# Altium PCB PCB1.PcbDoc (part 5 of 5)
Units mm, origin at the board's own origin, x right, y up, seen from the top; angles counter-clockwise.
Board outline 150 x 50 mm, 6 copper layers (Top Layer, Layer 1, Top Middle Layer, Bottom Middle Layer, Layer 2, Bottom Layer), stack 0.885 mm thick; 361 components, 293 nets, 1358 pads, 565 vias.
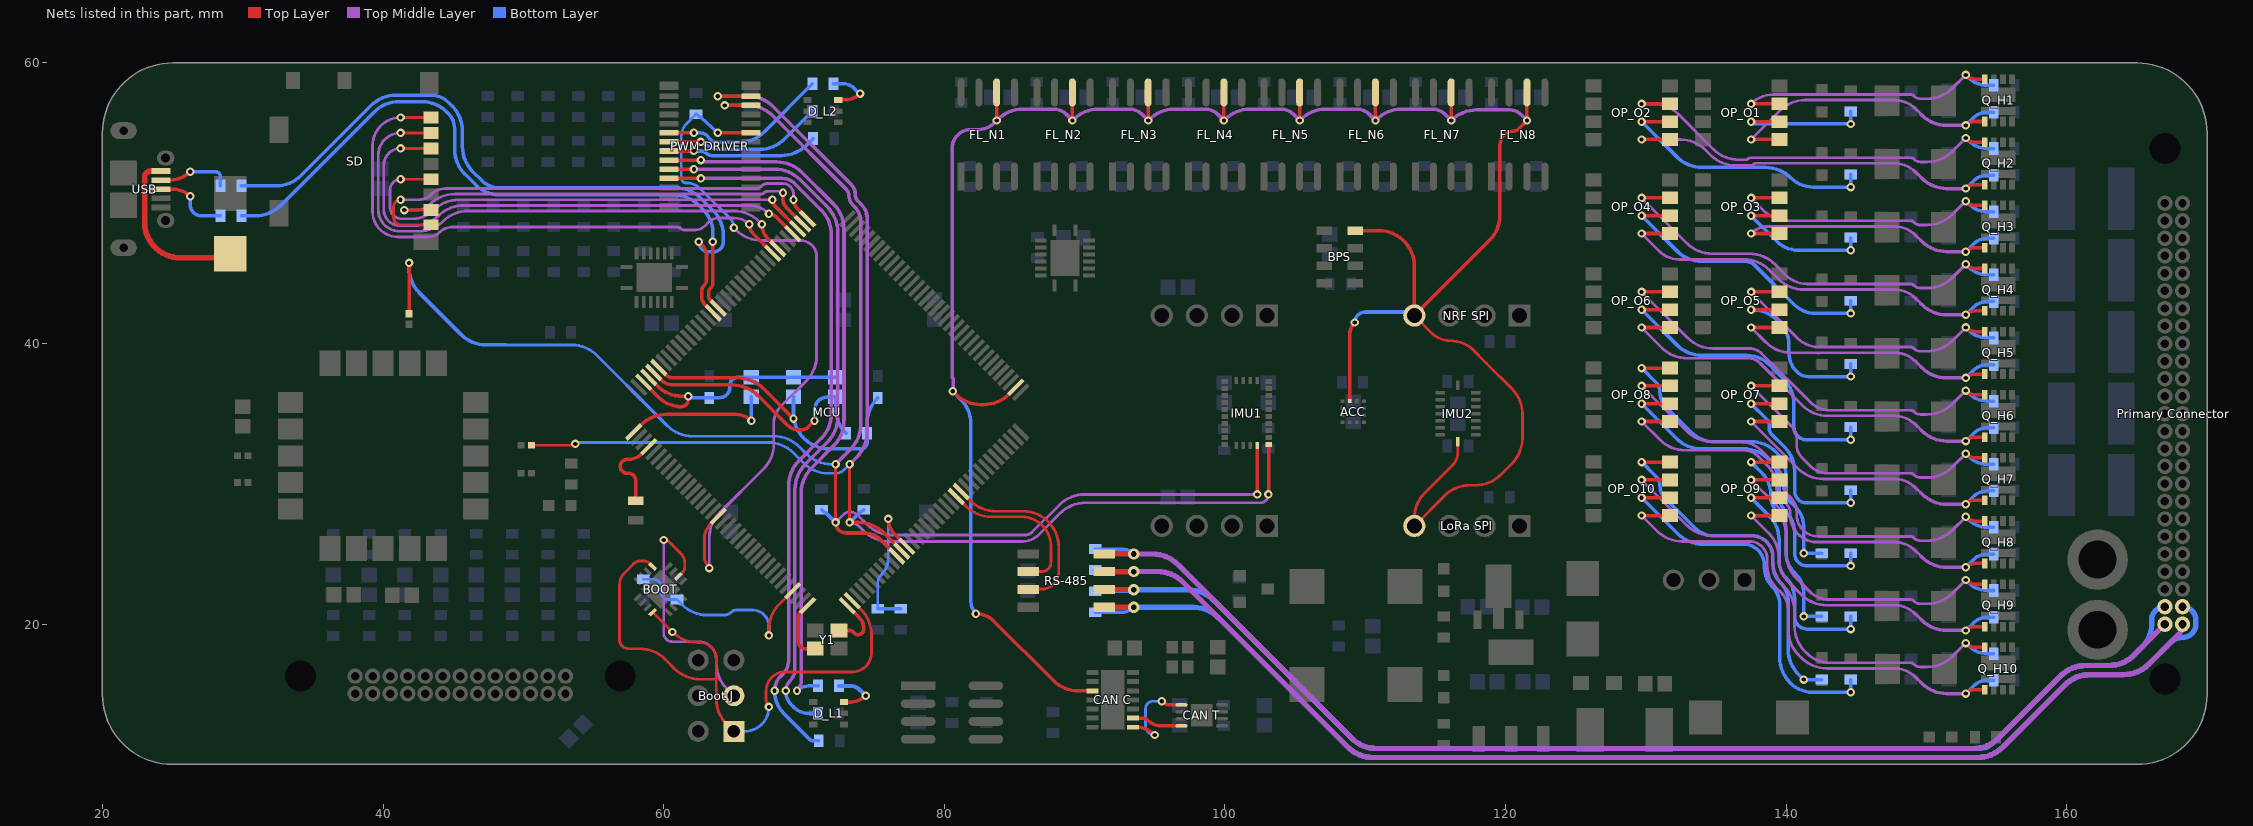
[diagram p9: the nets of this part, all layers, seen from the top]

## Via types
v1: diameter 0.6, hole 0.3, Top Layer to Bottom Layer, 519 vias
v2: diameter 1, hole 0.5, Top Layer to Bottom Layer, 19 vias
v3: diameter 0.8, hole 0.4, Top Layer to Bottom Layer, 17 vias
v4: diameter 6, hole 3.2, Top Layer to Bottom Layer, 5 vias
v5: diameter 0.5, hole 0.3, Top Layer to Bottom Layer, 4 vias
v6: diameter 2, hole 1, Top Layer to Bottom Layer, 1 vias

## Nets (pads, with @x,y where several pads share a name; then routed paths per layer and width w, separated by ;. In a path a pad name is that pad's centre, name@x,y a point inside that pad or via, vN(x,y) a via of type N, cw(c..) or ccw(c..) an arc to the next point about the centre after c; other vN are vias at no path point) (continued)
OP1H8: OP_O8.8 R3_H8.1 | length 23.5
  Top Layer w0.25: v1(129.7,38.255) OP_O8.8@131.73,38.255
  Bottom Layer w0.25: v1(129.7,38.255) 130.714,37.241 cw(c130.022,36.55) 131,36.55 ccw(c132.569,36.55) 131.46,35.44 133.156,33.744 ccw(c134.952,35.54) 134.952,33 137.498,33 cw(c137.498,30.46) 139.294,32.256 139.3,32.25 cw(c137.61,30.56) 140,30.56 140,29.55 ccw(c141.328,29.55) 140.389,28.611 140.75,28.25 cw(c139.543,27.043) 141.25,27.043 v1(141.25,25.05) R3_H8.1@142.55,25.05
OP1H9: OP_O9.8 R3_H9.1 | length 15.5
  Top Layer w0.25: v1(137.5,31.555) OP_O9.8@139.53,31.555
  Bottom Layer w0.25: v1(137.5,31.555) 138.26,30.795 cw(c136.715,29.25) 138.9,29.25 ccw(c141.013,29.25) 139.519,27.756 139.53,27.745 cw(c138.395,26.61) 140,26.61 140,25.1 ccw(c142.052,25.1) 140.601,23.649 140.75,23.5 cw(c139.543,22.293) 141.25,22.293 v1(141.25,20.55) R3_H9.1@142.55,20.55
OP1H10: OP_O10.8 R3_H10.1 | length 25.5
  Top Layer w0.25: v1(129.7,31.555) OP_O10.8@131.73,31.555
  Bottom Layer w0.25: v1(129.7,31.555) 130.749,30.506 cw(c130.143,29.9) 131,29.9 ccw(c132.328,29.9) 131.389,28.961 133.45,26.9 ccw(c134.899,28.349) 134.899,26.3 137.55,26.3 cw(c137.55,24.8) 139.05,24.8 139.05,24.207 ccw(c140.757,24.207) 139.55,23 cw(c138.101,21.551) 140.15,21.551 140.15,18.202 ccw(c142.69,18.202) 140.894,16.406 v1(141.25,16.05) R3_H10.1@142.55,16.05
OP1L1: OP_O1.7 Q_H1.8 R4_H1.2 | length 21.8
  Top Layer w0.25: v1(137.5,57.085) OP_O1.7@139.53,57.085 ; v1(152.8,59.15) ccw(c153.524,59.874) 153.524,58.85 Q_H1.8@154.15,58.85
  Top Middle Layer w0.2: v1(137.5,57.085) cw(c139.105,55.48) 139.105,57.75 148.859,57.75 cw(c148.859,57.409) 149.1,57.65 ccw(c149.583,58.133) 149.583,57.45 150.048,57.45 ccw(c150.048,59.99) 151.844,58.194 v1(152.8,59.15)
  Bottom Layer w0.25: v1(152.8,59.15) 152.984,58.966 ccw(c154.35,60.331) 154.35,58.4 R4_H1.2@154.8,58.4
OP1L2: OP_O2.7 Q_H2.8 R4_H2.2 | length 30.9
  Top Layer w0.25: v1(129.7,57.085) OP_O2.7@131.73,57.085 ; v1(152.8,54.65) ccw(c153.524,55.374) 153.524,54.35 Q_H2.8@154.15,54.35
  Top Middle Layer w0.2: v1(129.7,57.085) 130.538,57.085 cw(c130.538,54.545) 132.334,56.341 134.831,53.844 ccw(c136.627,55.64) 136.627,53.1 137.129,53.1 ccw(c137.129,53.271) 137.25,53.15 cw(c137.491,52.909) 137.491,53.25 148.859,53.25 cw(c148.859,52.909) 149.1,53.15 ccw(c149.583,53.633) 149.583,52.95 150.048,52.95 ccw(c150.048,55.49) 151.844,53.694 v1(152.8,54.65)
  Bottom Layer w0.25: v1(152.8,54.65) 152.984,54.466 ccw(c154.35,55.831) 154.35,53.9 R4_H2.2@154.8,53.9
OP1L3: OP_O3.7 Q_H3.8 R4_H3.2 | length 22.2
  Top Layer w0.25: v1(137.5,50.385) OP_O3.7@139.53,50.385 ; v1(152.8,50.15) ccw(c153.524,50.874) 153.524,49.85 Q_H3.8@154.15,49.85
  Top Middle Layer w0.2: v1(137.5,50.385) 138.391,49.494 ccw(c140.187,51.29) 140.187,48.75 148.859,48.75 cw(c148.859,48.409) 149.1,48.65 ccw(c149.583,49.133) 149.583,48.45 150.048,48.45 ccw(c150.048,50.99) 151.844,49.194 v1(152.8,50.15)
  Bottom Layer w0.25: v1(152.8,50.15) 152.984,49.966 ccw(c154.35,51.331) 154.35,49.4 R4_H3.2@154.8,49.4
OP1L4: OP_O4.7 Q_H4.8 R4_H4.2 | length 31.7
  Top Layer w0.25: v1(129.7,50.385) OP_O4.7@131.73,50.385 ; v1(152.8,45.65) ccw(c153.524,46.374) 153.524,45.35 Q_H4.8@154.15,45.35
  Top Middle Layer w0.2: v1(129.7,50.385) 132.941,47.144 ccw(c134.737,48.94) 134.737,46.4 137.398,46.4 cw(c137.398,43.86) 139.194,45.656 139.964,44.886 ccw(c141.5,46.423) 141.5,44.25 148.859,44.25 cw(c148.859,43.909) 149.1,44.15 ccw(c149.583,44.633) 149.583,43.95 150.048,43.95 ccw(c150.048,46.49) 151.844,44.694 v1(152.8,45.65)
  Bottom Layer w0.25: v1(152.8,45.65) 152.984,45.466 ccw(c154.35,46.831) 154.35,44.9 R4_H4.2@154.8,44.9
OP1L5: OP_O5.7 Q_H5.8 R4_H5.2 | length 23.2
  Top Layer w0.25: v1(137.5,43.685) OP_O5.7@139.53,43.685 ; v1(152.8,41.15) ccw(c153.524,41.874) 153.524,40.85 Q_H5.8@154.15,40.85
  Top Middle Layer w0.2: v1(137.5,43.685) 140.788,40.397 ccw(c142.35,41.959) 142.35,39.75 148.859,39.75 cw(c148.859,39.409) 149.1,39.65 ccw(c149.583,40.133) 149.583,39.45 150.048,39.45 ccw(c150.048,41.99) 151.844,40.194 v1(152.8,41.15)
  Bottom Layer w0.25: v1(152.8,41.15) 152.984,40.966 ccw(c154.35,42.331) 154.35,40.4 R4_H5.2@154.8,40.4
OP1L6: OP_O6.7 Q_H6.8 R4_H6.2 | length 32.7
  Top Layer w0.25: v1(129.7,43.685) OP_O6.7@131.73,43.685 ; v1(152.8,36.65) ccw(c153.524,37.374) 153.524,36.35 Q_H6.8@154.15,36.35
  Top Middle Layer w0.2: v1(129.7,43.685) 132.991,40.394 ccw(c134.787,42.19) 134.787,39.65 137.348,39.65 cw(c137.348,38.317) 138.29,39.26 141.734,35.816 ccw(c143.1,37.181) 143.1,35.25 148.859,35.25 cw(c148.859,34.909) 149.1,35.15 ccw(c149.583,35.633) 149.583,34.95 150.048,34.95 ccw(c150.048,37.49) 151.844,35.694 v1(152.8,36.65)
  Bottom Layer w0.25: v1(152.8,36.65) 152.984,36.466 ccw(c154.35,37.831) 154.35,35.9 R4_H6.2@154.8,35.9
OP1L7: OP_O7.7 Q_H7.8 R4_H7.2 | length 24.9
  Top Layer w0.25: v1(137.5,36.985) OP_O7.7@139.53,36.985 ; v1(152.8,32.15) ccw(c153.524,32.874) 153.524,31.85 Q_H7.8@154.15,31.85
  Top Middle Layer w0.2: v1(137.5,36.985) 140.398,34.087 cw(c139.55,33.238) 140.75,33.238 140.75,32.8 ccw(c142.078,32.8) 141.139,31.861 141.755,31.245 ccw(c142.95,32.44) 142.95,30.75 148.859,30.75 cw(c148.859,30.409) 149.1,30.65 ccw(c149.583,31.133) 149.583,30.45 150.048,30.45 ccw(c150.048,32.99) 151.844,31.194 v1(152.8,32.15)
  Bottom Layer w0.25: v1(152.8,32.15) 152.984,31.966 ccw(c154.35,33.331) 154.35,31.4 R4_H7.2@154.8,31.4
OP1L8: OP_O8.7 Q_H8.8 R4_H8.2 | length 35
  Top Layer w0.25: v1(129.7,36.985) OP_O8.7@131.73,36.985 ; v1(152.8,27.65) ccw(c153.524,28.374) 153.524,27.35 Q_H8.8@154.15,27.35
  Top Middle Layer w0.2: v1(129.7,36.985) 132.941,33.744 ccw(c134.737,35.54) 134.737,33 136.75,33 cw(c136.75,30.948) 138.201,32.399 139.184,31.416 cw(c137.819,30.05) 139.75,30.05 ccw(c140.836,30.05) 140.068,29.282 140.3,29.05 cw(c139.214,27.964) 140.75,27.964 140.75,27.8 ccw(c142.3,27.8) 142.3,26.25 148.859,26.25 cw(c148.859,25.909) 149.1,26.15 ccw(c149.583,26.633) 149.583,25.95 150.048,25.95 ccw(c150.048,28.49) 151.844,26.694 v1(152.8,27.65)
  Bottom Layer w0.25: v1(152.8,27.65) 152.984,27.466 ccw(c154.35,28.831) 154.35,26.9 R4_H8.2@154.8,26.9
OP1L9: OP_O9.7 Q_H9.8 R4_H9.2 | length 27.1
  Top Layer w0.25: v1(137.5,30.285) OP_O9.7@139.53,30.285 ; v1(152.8,23.15) ccw(c153.524,23.874) 153.524,22.85 Q_H9.8@154.15,22.85
  Top Middle Layer w0.2: v1(137.5,30.285) 139.256,28.529 cw(c137.46,26.733) 140,26.733 140,25.052 ccw(c142.54,25.052) 140.744,23.256 141.649,22.351 ccw(c143.1,23.802) 143.1,21.75 148.859,21.75 cw(c148.859,21.409) 149.1,21.65 ccw(c149.583,22.133) 149.583,21.45 150.048,21.45 ccw(c150.048,23.99) 151.844,22.194 v1(152.8,23.15)
  Bottom Layer w0.25: v1(152.8,23.15) 152.984,22.966 ccw(c154.35,24.331) 154.35,22.4 R4_H9.2@154.8,22.4
OP1L10: OP_O10.7 Q_H10.8 R4_H10.2 | length 37.2
  Top Layer w0.25: v1(129.7,30.285) OP_O10.7@131.73,30.285 ; v1(152.8,18.65) ccw(c153.524,19.374) 153.524,18.35 Q_H10.8@154.15,18.35
  Top Middle Layer w0.2: v1(129.7,30.285) 132.941,27.044 ccw(c134.737,28.84) 134.737,26.3 137.55,26.3 cw(c137.55,24.8) 139.05,24.8 139.05,24.552 ccw(c141.59,24.552) 139.794,22.756 139.856,22.694 cw(c138.06,20.898) 140.6,20.898 140.6,19.852 ccw(c143.14,19.852) 141.344,18.056 141.478,17.922 ccw(c143.1,19.543) 143.1,17.25 148.859,17.25 cw(c148.859,16.909) 149.1,17.15 ccw(c149.583,17.633) 149.583,16.95 150.048,16.95 ccw(c150.048,19.49) 151.844,17.694 v1(152.8,18.65)
  Bottom Layer w0.25: v1(152.8,18.65) 152.984,18.466 ccw(c154.35,19.831) 154.35,17.9 R4_H10.2@154.8,17.9
OP2H1: OP_O1.6 R1_H1.1 | length 10.2
  Top Layer w0.25: v1(137.5,55.815) OP_O1.6@139.53,55.815
  Bottom Layer w0.25: v1(137.5,55.815) ccw(c137.898,56.213) 137.898,55.65 v1(144.6,55.65) ; v1@144.6,55.55 R1_H1.1@144.6,56.55
OP2H2: OP_O2.6 R1_H2.1 | length 19.5
  Top Layer w0.25: v1(129.7,55.815) OP_O2.6@131.73,55.815
  Bottom Layer w0.25: v1(129.7,55.815) 132.221,53.294 ccw(c134.017,55.09) 134.017,52.55 138.548,52.55 cw(c138.548,50.01) 140.344,51.806 ccw(c141.928,53.39) 141.928,51.15 v1(144.6,51.15) ; v1@144.6,51.05 R1_H2.1@144.6,52.05
OP2H3: OP_O3.6 R1_H3.1 | length 11.1
  Top Layer w0.25: v1(137.5,49.115) OP_O3.6@139.53,49.115
  Bottom Layer w0.25: v1(137.5,49.115) 139.321,47.294 ccw(c140.876,48.849) 140.876,46.65 v1(144.6,46.65) ; v1@144.6,46.55 R1_H3.1@144.6,47.55
OP2H4: OP_O4.6 R1_H4.1 | length 20.6
  Top Layer w0.25: v1(129.7,49.115) OP_O4.6@131.73,49.115
  Bottom Layer w0.25: v1(129.7,49.115) 132.221,46.594 ccw(c134.017,48.39) 134.017,45.85 137.1,45.85 cw(c137.1,44.884) 137.783,45.567 140.556,42.794 ccw(c142.111,44.349) 142.111,42.15 v1(144.6,42.15) ; v1@144.6,42.05 R1_H4.1@144.6,43.05
OP2H5: OP_O5.6 R1_H5.1 | length 13.1
  Top Layer w0.25: v1(137.5,42.415) OP_O5.6@139.53,42.415
  Bottom Layer w0.25: v1(137.5,42.415) 137.533,42.415 cw(c137.533,39.875) 139.329,41.671 139.599,41.401 cw(c138.148,39.95) 140.2,39.95 140.2,39.328 ccw(c142.078,39.328) 140.75,38 ccw(c141.595,38.845) 141.595,37.65 v1(144.6,37.65) ; v1@144.6,37.55 R1_H5.1@144.6,38.55
OP2H6: OP_O6.6 R1_H6.1 | length 23.2
  Top Layer w0.25: v1(129.7,42.415) OP_O6.6@131.73,42.415
  Bottom Layer w0.25: v1(129.7,42.415) 132.221,39.894 ccw(c134.017,41.69) 134.017,39.15 137.2,39.15 cw(c137.2,36.857) 138.822,38.478 139.806,37.494 cw(c138.01,35.698) 140.55,35.698 140.55,34.05 ccw(c141.45,34.05) 141.45,33.15 v1(144.6,33.15) ; v1@144.6,33.05 R1_H6.1@144.6,34.05
OP2H7: OP_O7.6 R1_H7.1 | length 14.9
  Top Layer w0.25: v1(137.5,35.715) OP_O7.6@139.53,35.715
  Bottom Layer w0.25: v1(137.5,35.715) 138.613,34.602 cw(c138.16,34.15) 138.8,34.15 138.8,33.9 ccw(c139.283,33.9) 138.941,33.559 139.9,32.6 cw(c138.21,30.91) 140.6,30.91 140.6,29.5 ccw(c141.45,29.5) 141.45,28.65 v1(144.6,28.65) ; v1@144.6,28.55 R1_H7.1@144.6,29.55
OP2H8: OP_O8.6 R1_H8.1 | length 25.2
  Top Layer w0.25: v1(129.7,35.715) OP_O8.6@131.73,35.715
  Bottom Layer w0.25: v1(129.7,35.715) 132.171,33.244 ccw(c133.967,35.04) 133.967,32.5 136.96,32.5 cw(c136.96,29.96) 139.5,29.96 139.5,29.207 ccw(c141.207,29.207) 140,28 cw(c138.551,26.551) 140.6,26.551 140.6,25.05 ccw(c141.5,25.05) 141.5,24.15 v1(144.6,24.15) ; v1@144.6,24.05 R1_H8.1@144.6,25.05
OP2H9: OP_O9.6 R1_H9.1 | length 17
  Top Layer w0.25: v1(137.5,29.015) OP_O9.6@139.53,29.015
  Bottom Layer w0.25: v1(137.5,29.015) 138.782,27.733 cw(c137.05,26) 139.5,26 139.5,24.507 ccw(c141.207,24.507) 140,23.3 cw(c138.551,21.851) 140.6,21.851 140.6,20.55 ccw(c141.5,20.55) 141.5,19.65 v1(144.6,19.65) ; v1@144.6,19.55 R1_H9.1@144.6,20.55
OP2H10: OP_O10.6 R1_H10.1 | length 27.3
  Top Layer w0.25: v1(129.7,29.015) OP_O10.6@131.73,29.015
  Bottom Layer w0.25: v1(129.7,29.015) 132.271,26.444 ccw(c134.067,28.24) 134.067,25.7 136.95,25.7 cw(c136.95,24.2) 138.45,24.2 138.45,24.028 ccw(c140.328,24.028) 139,22.7 cw(c137.672,21.372) 139.55,21.372 139.55,17.602 ccw(c142.09,17.602) 140.294,15.806 ccw(c141.878,17.39) 141.878,15.15 v1(144.6,15.15) ; v1@144.6,15.05 R1_H10.1@144.6,16.05
OP2L1: OP_O1.5 Q_H1.1 R2_H1.2 | length 22.7
  Top Layer w0.25: v1(137.5,54.545) OP_O1.5@139.53,54.545 ; v1(152.8,55.55) cw(c153.47,54.88) 153.47,55.827 Q_H1.1@154.15,55.827
  Top Middle Layer w0.2: v1(137.5,54.545) 139.56,56.605 cw(c141.357,54.809) 141.357,57.349 147.75,57.349 cw(c147.7,55.177) 149.236,56.714 149.6,56.35
  Top Middle Layer w0.25: 149.6,56.35 149.656,56.294 ccw(c151.452,58.09) 151.452,55.55 v1(152.8,55.55)
  Bottom Layer w0.25: v1(152.8,55.55) 153.326,56.076 cw(c154.35,55.051) 154.35,56.5 R2_H1.2@154.8,56.5
OP2L2: OP_O2.5 Q_H2.1 R2_H2.2 | length 30
  Top Layer w0.25: v1(129.7,54.545) OP_O2.5@131.73,54.545 ; v1(152.8,51.05) cw(c153.47,50.38) 153.47,51.327 Q_H2.1@154.15,51.327
  Top Middle Layer w0.2: v1(129.7,54.545) 132.453,54.545 cw(c132.453,52.005) 134.249,53.801 134.606,53.444 ccw(c136.402,55.24) 136.402,52.7 137.529,52.7 ccw(c137.529,52.871) 137.65,52.75 cw(c137.89,52.51) 137.89,52.849 147.75,52.849 cw(c147.7,50.677) 149.236,52.214 149.6,51.85
  Top Middle Layer w0.25: 149.6,51.85 149.656,51.794 ccw(c151.452,53.59) 151.452,51.05 v1(152.8,51.05)
  Bottom Layer w0.25: v1(152.8,51.05) 153.326,51.576 cw(c154.35,50.551) 154.35,52 R2_H2.2@154.8,52
OP2L3: OP_O3.5 Q_H3.1 R2_H3.2 | length 21.8
  Top Layer w0.25: v1(137.5,47.845) OP_O3.5@139.53,47.845 ; v1(152.8,46.55) cw(c153.47,45.88) 153.47,46.827 Q_H3.1@154.15,46.827
  Top Middle Layer w0.2: v1(137.5,47.845) cw(c138.718,46.627) 138.718,48.349 147.75,48.349 cw(c147.7,46.177) 149.236,47.714 149.6,47.35
  Top Middle Layer w0.25: 149.6,47.35 149.656,47.294 ccw(c151.452,49.09) 151.452,46.55 v1(152.8,46.55)
  Bottom Layer w0.25: v1(152.8,46.55) 153.326,47.076 cw(c154.35,46.051) 154.35,47.5 R2_H3.2@154.8,47.5
OP2L4: OP_O4.5 Q_H4.1 R2_H4.2 | length 30.8
  Top Layer w0.25: v1(129.7,47.845) OP_O4.5@131.73,47.845 ; v1(152.8,42.05) cw(c153.47,41.38) 153.47,42.327 Q_H4.1@154.15,42.327
  Top Middle Layer w0.2: v1(129.7,47.845) 130.951,46.594 ccw(c132.385,48.028) 132.385,46 136.998,46 cw(c136.998,43.46) 138.794,45.256 139.457,44.593 ccw(c141.253,46.389) 141.253,43.849 147.75,43.849 cw(c147.7,41.677) 149.236,43.214 149.6,42.85
  Top Middle Layer w0.25: 149.6,42.85 149.656,42.794 ccw(c151.452,44.59) 151.452,42.05 v1(152.8,42.05)
  Bottom Layer w0.25: v1(152.8,42.05) 153.326,42.576 cw(c154.35,41.551) 154.35,43 R2_H4.2@154.8,43
OP2L5: OP_O5.5 Q_H5.1 R2_H5.2 | length 22.3
  Top Layer w0.25: v1(137.5,41.145) OP_O5.5@139.53,41.145 ; v1(152.8,37.55) cw(c153.47,36.88) 153.47,37.827 Q_H5.1@154.15,37.827
  Top Middle Layer w0.2: v1(137.5,41.145) 138.552,40.093 ccw(c140.348,41.889) 140.348,39.349 141.5,39.349 142.27,39.326 ccw(c142.35,41.959) 142.352,39.325 147.747,39.349 cw(c147.748,39.149) 147.751,39.349 147.753,39.349 cw(c147.7,37.177) 149.236,38.714 149.6,38.35
  Top Middle Layer w0.25: 149.6,38.35 149.656,38.294 ccw(c151.452,40.09) 151.452,37.55 v1(152.8,37.55)
  Bottom Layer w0.25: v1(152.8,37.55) 153.326,38.076 cw(c154.35,37.051) 154.35,38.5 R2_H5.2@154.8,38.5
OP2L6: OP_O6.5 Q_H6.1 R2_H6.2 | length 31.8
  Top Layer w0.25: v1(129.7,41.145) OP_O6.5@131.73,41.145 ; v1(152.8,33.05) cw(c153.47,32.38) 153.47,33.327 Q_H6.1@154.15,33.327
  Top Middle Layer w0.2: v1(129.7,41.145) 131.151,39.694 ccw(c132.947,41.49) 132.947,38.95 137.3,38.95 cw(c137.3,37.743) 138.153,38.597 141.157,35.593 ccw(c142.953,37.389) 142.953,34.849 147.75,34.849 cw(c147.7,32.677) 149.236,34.214 149.6,33.85
  Top Middle Layer w0.25: 149.6,33.85 149.656,33.794 ccw(c151.452,35.59) 151.452,33.05 v1(152.8,33.05)
  Bottom Layer w0.25: v1(152.8,33.05) 153.326,33.576 cw(c154.35,32.551) 154.35,34 R2_H6.2@154.8,34
OP2L7: OP_O7.5 Q_H7.1 R2_H7.2 | length 23.2
  Top Layer w0.25: v1(137.5,34.445) OP_O7.5@139.53,34.445 ; v1(152.8,28.55) cw(c153.47,27.88) 153.47,28.827 Q_H7.1@154.15,28.827
  Top Middle Layer w0.2: v1(137.5,34.445) 140.852,31.093 ccw(c142.648,32.889) 142.648,30.349 147.75,30.349 cw(c147.7,28.177) 149.236,29.714 149.6,29.35
  Top Middle Layer w0.25: 149.6,29.35 149.656,29.294 ccw(c151.452,31.09) 151.452,28.55 v1(152.8,28.55)
  Bottom Layer w0.25: v1(152.8,28.55) 153.326,29.076 cw(c154.35,28.051) 154.35,29.5 R2_H7.2@154.8,29.5
OP2L8: OP_O8.5 Q_H8.1 R2_H8.2 | length 34
  Top Layer w0.25: v1(129.7,34.445) OP_O8.5@131.73,34.445 ; v1(152.8,24.05) cw(c153.47,23.38) 153.47,24.327 Q_H8.1@154.15,24.327
  Top Middle Layer w0.2: v1(129.7,34.445) 131.001,33.144 ccw(c132.797,34.94) 132.797,32.4 136.984,32.4 cw(c136.984,31.034) 137.95,32 138.734,31.216 cw(c137.369,29.85) 139.3,29.85 ccw(c140.628,29.85) 139.689,28.911 140,28.6 cw(c139.276,27.876) 140.3,27.876 140.3,27.75 ccw(c142.201,27.75) 142.201,25.849 147.75,25.849 cw(c147.7,23.677) 149.236,25.214 149.6,24.85
  Top Middle Layer w0.25: 149.6,24.85 149.656,24.794 ccw(c151.452,26.59) 151.452,24.05 v1(152.8,24.05)
  Bottom Layer w0.25: v1(152.8,24.05) 153.326,24.576 cw(c154.35,23.551) 154.35,25 R2_H8.2@154.8,25
OP2L9: OP_O9.5 Q_H9.1 R2_H9.2 | length 25.2
  Top Layer w0.25: v1(137.5,27.745) OP_O9.5@139.53,27.745 ; v1(152.8,19.55) cw(c153.47,18.88) 153.47,19.827 Q_H9.1@154.15,19.827
  Top Middle Layer w0.2: v1(137.5,27.745) 138.756,26.489 cw(c136.96,24.693) 139.5,24.693 139.5,24.507 ccw(c141.449,24.507) 140.071,23.129 141.107,22.093 ccw(c142.903,23.889) 142.903,21.349 147.75,21.349 cw(c147.7,19.177) 149.236,20.714 149.6,20.35
  Top Middle Layer w0.25: 149.6,20.35 149.656,20.294 ccw(c151.452,22.09) 151.452,19.55 v1(152.8,19.55)
  Bottom Layer w0.25: v1(152.8,19.55) 153.326,20.076 cw(c154.35,19.051) 154.35,20.5 R2_H9.2@154.8,20.5
OP2L10: OP_O10.5 Q_H10.1 R2_H10.2 | length 36.3
  Top Layer w0.25: v1(129.7,27.745) OP_O10.5@131.73,27.745 ; v1(152.8,15.05) cw(c153.47,14.38) 153.47,15.327 Q_H10.1@154.15,15.327
  Top Middle Layer w0.2: v1(129.7,27.745) 130.801,26.644 ccw(c132.597,28.44) 132.597,25.9 137.4,25.9 cw(c137.4,24.65) 138.65,24.65 138.65,24.15 ccw(c140.823,24.15) 139.286,22.614 139.65,22.25 cw(c138.443,21.043) 140.15,21.043 140.15,19.602 ccw(c142.69,19.602) 140.894,17.806 141.107,17.593 ccw(c142.903,19.389) 142.903,16.849 147.75,16.849 cw(c147.7,14.677) 149.236,16.214 149.6,15.85
  Top Middle Layer w0.25: 149.6,15.85 149.656,15.794 ccw(c151.452,17.59) 151.452,15.05 v1(152.8,15.05)
  Bottom Layer w0.25: v1(152.8,15.05) 153.326,15.576 cw(c154.35,14.551) 154.35,16 R2_H10.2@154.8,16
"Out BLU1": "PWM DRIVER.11" R3_L1.2 | length 52.7
  Top Layer w0.25: 60.375,51.775 v1(62.65,51.775) v1@62.75,51.775
  Top Middle Layer w0.25: v1(62.65,51.775) 68.445,51.775 cw(c68.445,50.495) 69.35,51.4 71.206,49.544 cw(c69.41,47.748) 71.95,47.748 71.95,35.002 cw(c69.41,35.002) 71.206,33.206 69.644,31.644 ccw(c71.44,29.848) 68.9,29.848 68.9,17.416 cw(c67.534,17.416) 68.5,16.45 68.324,16.274 ccw(c69.349,15.25) v1(67.9,15.25)
  Bottom Layer w0.25: v1(67.9,15.25) ccw(c70.193,15.25) 68.572,13.628 70.429,11.771 ccw(c70.6,11.941) 70.6,11.7 R3_L1.2@71.05,11.7
"Out BLU2": "PWM DRIVER.8" R3_L2.2 | length 10.9
  Top Layer w0.25: 60.375,53.725 v1(62.15,53.725) v1@62.25,53.725
  Bottom Layer w0.25: v1(62.15,53.725) 62.628,53.725 cw(c62.628,53.128) 63.01,53.586 ccw(c63.169,53.78) 63.02,53.579 cw(c62.65,53.075) 63.053,53.553 ccw(c63.422,53.923) 63.422,53.4 68.384,53.4 ccw(c68.384,55.94) 70.18,54.144 R3_L2.2@70.65,54.614
"Out GRN1": "PWM DRIVER.10" R2_L1.2 | length 51.5
  Top Layer w0.25: 60.375,52.425 v1(62.15,52.425) v1@62.25,52.425
  Top Middle Layer w0.25: v1(62.15,52.425) 67.923,52.425 cw(c67.923,49.885) 69.719,51.681 71.656,49.744 cw(c69.86,47.948) 72.4,47.948 72.4,34.752 cw(c69.86,34.752) 71.656,32.956 70.094,31.394 ccw(c71.89,29.598) 69.35,29.598 69.35,16.795 cw(c68.155,16.795) 69,15.95 68.983,15.933 ccw(c69.666,15.25) v1(68.7,15.25)
  Bottom Layer w0.25: v1(68.7,15.25) ccw(c70.149,15.25) 69.124,14.226 69.25,14.1 ccw(c70.336,15.186) 70.336,13.65 R2_L1.2@71,13.65
"Out GRN2": "PWM DRIVER.7" R2_L2.2 | length 11.5
  Top Layer w0.25: 60.375,54.375 v1(62.65,54.375) v1@62.75,54.375
  Bottom Layer w0.25: v1(62.65,54.375) 63.223,54.048 ccw(c63.783,55.033) 63.54,53.926 63.864,53.856 ccw(c63.917,54.1) 63.917,53.85 66.834,53.85 ccw(c66.834,56.39) 68.63,54.594 R2_L2.2@70.6,56.564
"Out RED1": "PWM DRIVER.9" R1_L1.1 | length 50.5
  Top Layer w0.25: 60.375,53.075 60.925,53.074 v1(62.649,53.074)
  Top Middle Layer w0.25: v1(62.649,53.074) ccw(c62.774,53.074) 62.774,52.95 68.048,52.95 cw(c68.048,50.41) 69.844,52.206 72.106,49.944 cw(c70.31,48.148) 72.85,48.148 72.85,34.502 cw(c70.31,34.502) 72.106,32.706 70.544,31.144 ccw(c72.34,29.348) 69.8,29.348 69.8,15.974 cw(c68.776,15.974) v1(69.5,15.25)
  Bottom Layer w0.25: v1(69.5,15.25) cw(c70.345,14.405) 70.345,15.6 R1_L1.1@71,15.6
"Out RED2": "PWM DRIVER.6" R1_L2.1 | length 12.1
  Top Layer w0.25: 60.375,55.025 v1(62.15,55.025)
  Bottom Layer w0.25: v1(62.15,55.025) 62.486,55.025 cw(c62.486,54.086) 62.703,55 ccw(c62.76,55.243) 62.727,54.995 cw(c62.65,54.375) 63.171,54.72 ccw(c63.378,54.86) 63.178,54.71 63.3,54.55 ccw(c63.783,55.033) 63.783,54.35 65.384,54.35 ccw(c65.384,56.89) 67.18,55.094 R1_L2.1@70.6,58.514
"PCA OEN": "PWM DRIVER.23" MCU.54 R503.2 | length 50.8
  Top Layer w0.2: v1(63.25,24) cw(c64.095,24.845) 62.9,24.845 62.9,26.1 cw(c64.35,26.1) 63.325,27.126 MCU.54@63.886,27.687
  Top Layer w0.25: v1@63.75,55.025 v1(63.85,55.025) 66.225,55.025
  Top Middle Layer w0.2: v1(63.25,24) 63.25,26.148 cw(c65.79,26.148) 63.994,27.944 67.106,31.056 ccw(c65.31,32.852) 67.85,32.852 67.85,34.35 cw(c69.48,34.35) 68.327,35.502 70.156,37.331 ccw(c68.36,39.127) 70.9,39.127 70.9,46.2 ccw(c69.75,46.2) 69.75,47.35 66.952,47.35 cw(c66.952,49.89) 65.156,48.094 v1(65,48.25)
  Bottom Layer w0.2: R503.2@62.3,56.35 61.639,55.689 ccw(c62.578,54.75) 61.25,54.75 61.25,51.8 ccw(c61.6,51.8) 61.6,51.45 cw(c61.6,50.001) 62.624,51.026 64.717,48.933 cw(c64.034,48.25) v1(65,48.25)
  Bottom Layer w0.25: R503.2@62.3,56.35 62.625,56.125 v1(63.85,55.025)
Prog: "Boot J.3" BOOT.10 | length 17.9
  Top Layer w0.2: v1(60,26) cw(c60,25.396) 60.427,25.823 61.25,25 cw(c60.646,24.396) 61.5,24.396 61.5,24.1 cw(c60.914,24.1) 61.328,23.685 BOOT.10@61.046,23.404
  Top Middle Layer w0.2: v1(60,26) 60,19.35 ccw(c60.6,19.35) 60.6,18.75 62.5,18.75 cw(c62.5,17.5) 63.75,17.5 63.75,17.202 ccw(c66.29,17.202) 64.494,15.406 65,14.9
RED_L1: D_L1.3 R1_L1.2 | length 3.8
  Top Layer w0.25: D_L1.3@72.85,14.45 73.314,14.45 ccw(c73.314,15.986) v1(74.4,14.9)
  Bottom Layer w0.3: R1_L1.2@72.5,15.6 73.276,15.6 cw(c73.276,14.576) 74,15.3 v1(74.4,14.9)
RED_L2: D_L2.3 R1_L2.2 | length 3.8
  Top Layer w0.25: D_L2.3@72.45,57.364 72.914,57.364 ccw(c72.914,58.9) v1(74,57.814)
  Bottom Layer w0.25: R1_L2.2@72.1,58.514 72.826,58.514 cw(c72.826,57.489) 73.55,58.214 73.915,57.849 ccw(c74,57.934) v1(74,57.814)
Reset: "Boot J.1" BOOT.4 BOOT.13 MCU.74 | length 44.7
  Top Layer w0.2: BOOT.4@59.208,20.858 v1(60.622,19.444) ccw(c62.418,21.24) 62.418,18.7 62.55,18.7 cw(c62.55,17.5) 63.75,17.5 63.75,16.081 ; BOOT.13@59.208,24.111 58.973,24.345 ccw(c58.6,23.972) 58.6,24.5 58.333,24.5 ccw(c58.333,23.817) 57.85,24.3 57.594,24.044 57.2,23.65 ccw(c58.045,22.805) 56.85,22.805 56.85,18.9 ccw(c57.5,18.9) 57.5,18.25 58.298,18.25 cw(c58.298,15.71) 60.094,17.506 60.775,16.825 ccw(c62.571,18.621) 62.571,16.081 63.75,16.081 ; 65,12.36 64.494,12.866 cw(c66.29,14.662) 63.75,14.662 63.75,16.081 ; v1(67.5,14.1) cw(c67.983,14.583) 67.3,14.583 67.3,15.25 cw(c68.65,15.25) 68.65,16.6 73.45,16.6 ccw(c73.45,17.95) 74.8,17.95 74.8,19.256 ccw(c72.26,19.256) 74.056,21.052 MCU.74@73.432,21.676
  Bottom Layer w0.2: 65,12.36 65.76,12.36 ccw(c65.76,14.1) v1(67.5,14.1)
"RS485 D": MCU.96 RS-485.3 | length 13.5
  Top Layer w0.2: MCU.96@81.21,29.455 81.871,28.794 ccw(c83.667,30.59) 83.667,28.05 85.61,28.05 cw(c85.61,25.51) 88.15,25.51 88.15,23.7 cw(c86.95,23.7) 86.95,22.5 86.013,22.5 ccw(c86.013,22.475) RS-485.3@85.988,22.475
"RS485 R": MCU.95 RS-485.2 | length 11.6
  Top Layer w0.2: MCU.95@80.857,29.101 81.564,28.394 ccw(c83.36,30.19) 83.36,27.65 85.5,27.65 cw(c85.5,25.55) 87.6,25.55 87.6,24.4 cw(c86.95,24.4) 86.95,23.75 85.988,23.75 RS-485.2@85.988,23.745
RS485_RX_N: "Primary Connector.50" R305.1 RS-485.7 | length 88.7
  Top Layer w0.381: RS-485.7@91.412,23.745 93.495,23.745 v3(93.5,23.75)
  Top Middle Layer w0.381: v3(93.5,23.75) 95.198,23.75 cw(c95.198,21.21) 96.994,23.006 108.756,11.244 ccw(c110.552,13.04) 110.552,10.5 153.648,10.5 ccw(c153.648,13.04) 155.444,11.244 159.871,15.671 cw(c161.667,13.875) 161.667,16.415 164.063,16.415 ccw(c164.063,18.955) 165.859,17.159 167.932,19.232 ccw(c167.164,20) 168.25,20
  Bottom Layer w0.25: R305.1@90.991,23.75 v3(93.5,23.75)
  Bottom Layer w0.381: R305.1@90.75,23.85 ccw(c90.991,24.091) R305.1@90.991,23.75
RS485_RX_P: "Primary Connector.25" R305.2 RS-485.8 | length 87.3
  Top Layer w0.381: RS-485.8@91.412,25.015 93.464,25.015 cw(c93.464,24.964) v3(93.5,25)
  Top Middle Layer w0.381: v3(93.5,25) 94.848,25 cw(c94.848,22.46) 96.644,24.256 109.021,11.879 ccw(c110.817,13.675) 110.817,11.135 153.333,11.135 ccw(c153.333,13.675) 155.129,11.879 159.556,16.306 cw(c161.352,14.51) 161.352,17.05 162.998,17.05 ccw(c162.998,19.59) 164.794,17.794 167,20
  Bottom Layer w0.25: R305.2@90.75,25.35 92.655,25.35 cw(c92.655,24.155) v3(93.5,25)
RS485_TX_N: "Primary Connector.49" R306.2 RS-485.5 | length 90.3
  Top Layer w0.381: RS-485.5@91.412,21.205 93.495,21.205 v3(93.5,21.2)
  Bottom Layer w0.25: R306.2@90.75,20.85 92.655,20.85 ccw(c92.655,22.045) v3(93.5,21.2)
  Bottom Layer w0.381: v3(93.5,21.2) 97.748,21.2 cw(c97.748,18.66) 99.544,20.456 108.756,11.244 ccw(c110.552,13.04) 110.552,10.5 153.648,10.5 ccw(c153.648,13.04) 155.444,11.244 159.856,15.656 cw(c161.652,13.86) 161.652,16.4 164.048,16.4 ccw(c164.048,18.94) 165.844,17.144 167.396,18.696 cw(c168.25,17.843) 168.25,19.05 ccw(c168.25,20) 169.2,20 169.2,20.3 ccw(c168.25,20.3) 168.25,21.25
RS485_TX_P: "Primary Connector.24" R306.1 RS-485.6 | length 87.5
  Top Layer w0.381: RS-485.6@91.412,22.475 93.44,22.475 cw(c93.44,22.39) v3(93.5,22.45)
  Bottom Layer w0.25: R306.1@90.75,22.35 v3@93.259,22.35
  Bottom Layer w0.381: v3@93.259,22.35 ccw(c93.259,22.691) v3(93.5,22.45) 97.398,22.45 cw(c97.398,19.91) 99.194,21.706 109.021,11.879 ccw(c110.817,13.675) 110.817,11.135 153.648,11.135 ccw(c153.648,13.04) 154.267,11.238 ccw(c154.142,11.598) 154.306,11.254 ccw(c153.198,13.54) 154.994,11.744 159.556,16.306 cw(c161.352,14.51) 161.352,17.05 162.998,17.05 ccw(c162.998,19.59) 164.794,17.794 165.4,18.4 ccw(c163.831,19.969) 166.05,19.969 166.05,20.3 cw(c167,20.3) 167,21.25
RXCAN: "CAN C.2" "CAN T.4" | length 3.6
  Top Layer w0.25: 93.45,13.3 94.138,13.3 cw(c94.138,12.788) 94.5,13.15 ccw(c95.466,14.116) 95.466,12.75 96.9,12.75
SCL: "PWM DRIVER.26" FB6.1 IMU1.19 MCU.83 R303.2 | length 120
  Top Layer w0.2: v1(72.25,27.25) v1(72.25,31.4)
  Top Layer w0.254: FB6.1@41.85,42.129 v1(41.85,45.75) ; v1@64.25,56.975 v1(64.35,56.975) 66.225,56.975 ; v1(72.25,27.25) ccw(c73,27.25) 73,26.5 74.25,26.5 cw(c74.25,24.756) 75.483,25.989 MCU.83@76.614,24.858 ; v1(102.3,29.25) IMU1.19@102.3,32.738
  Top Middle Layer w0.2: v1(72.25,27.25) 72.823,27.823 cw(c73.25,27.396) 73.25,28 cw(c73.25,27.155) 73.847,27.753 74.506,27.094 ccw(c76.302,28.89) 76.302,26.35 85.75,26.35 ccw(c85.75,27.074) 86.262,26.562 88.206,28.506 cw(c90.002,26.71) 90.002,29.25 v1(102.3,29.25)
  Top Middle Layer w0.254: v1(64.35,56.975) 65.973,56.975 cw(c65.973,54.435) 67.769,56.231 73.023,50.977 cw(c72.596,50.55) 73.19,50.66 cw(c72.94,50.615) 73.194,50.622 ccw(c74.372,50.653) 73.198,50.55 ccw(c74.158,50.55) 73.479,49.871 73.6,49.75 cw(c72.524,48.674) 74.046,48.674 74.046,47.597 cw(c73.792,47.583) 74.046,47.584 74.046,34.248 cw(c71.506,34.248) 73.302,32.452 v1(72.25,31.4)
  Bottom Layer w0.2: 48.752,39.9 53.448,39.9 cw(c53.448,37.36) 55.244,39.156 60.256,34.144 ccw(c62.052,35.94) 62.052,33.4 67.848,33.4 cw(c67.848,30.86) 69.644,32.656 70.156,32.144 ccw(c71.952,33.94) 71.952,31.4 v1(72.25,31.4)
  Bottom Layer w0.254: v1(41.85,45.75) 41.85,45.402 ccw(c44.39,45.402) 42.594,43.606 45.556,40.644 ccw(c47.352,42.44) 47.352,39.9 48.752,39.9 ; R303.2@71.25,28.15 71.573,27.927 v1(72.25,27.25)
SCLK: "CAN C.10" "LoRa SPI.4" "NRF SPI.4" ACC.12 BPS.8 FL_N1.6 FL_N2.6 FL_N3.6 FL_N4.6 FL_N5.6 FL_N6.6 FL_N7.6 FL_N8.6 IMU2.8 MCU.110 | length 178.1
  Top Layer w0.2: 113.5,42 114.77,40.73 ccw(c116.05,42.011) 116.05,40.2 cw(c116.05,37.786) 117.579,39.654 cw(c117.451,39.5) 117.593,39.641 118.642,38.592 120.456,36.778 cw(c118.66,34.982) 121.2,34.982 121.2,33.252 cw(c118.66,33.252) 120.456,31.456 119.644,30.644 cw(c117.848,32.44) 117.848,29.9 117.452,29.9 ccw(c117.452,27.36) 115.656,29.156 113.5,27 113.5,27.548 cw(c116.04,27.548) 114.244,29.344 116.2,31.3 ccw(c115.234,32.266) 116.6,32.266 IMU2.8@116.6,32.987
  Top Layer w0.25: v1(80.6,36.6) 80.806,36.394 ccw(c82.602,38.19) 82.602,35.65 82.818,35.65 ccw(c82.818,38.19) 84.614,36.394 MCU.110@85.099,36.879 ; v1(82.25,20.75) cw(c82.25,18.939) 83.53,20.22 87.756,15.994 ccw(c89.552,17.79) 89.552,15.25 90.55,15.25 ; ACC.12@108.9,35.912 108.9,40.655 cw(c110.095,40.655) v1(109.25,41.5) ; BPS.8@109.275,48.05 110.96,48.05 cw(c110.96,45.51) 113.5,45.51 113.5,42 118.856,47.356 ccw(c117.06,49.152) 119.6,49.152 119.6,51.9 119.6,54.15 cw(c120.6,54.15) 120.6,55.15 ccw(c120.6,55.584) 120.907,55.277 v1(121.53,55.9) FL_N8.6@121.53,57.9
  Top Layer w0.254: v1(83.73,55.9) FL_N1.6@83.73,57.9 ; v1(89.13,55.9) FL_N2.6@89.13,57.9 ; v1(94.53,55.9) FL_N3.6@94.53,57.9 ; v1(99.93,55.9) FL_N4.6@99.93,57.9 ; v1(105.33,55.9) FL_N5.6@105.33,57.9 ; v1(110.73,55.9) FL_N6.6@110.73,57.9 ; v1(116.13,55.9) FL_N7.6@116.13,57.9
  Top Middle Layer w0.25: v1(80.6,36.6) ccw(c80.479,36.721) 80.65,36.721 80.65,37.429 ccw(c80.479,37.429) 80.6,37.55 cw(c80.721,37.671) 80.55,37.671 80.55,53.9 cw(c81.9,53.9) 81.9,55.25 82.45,55.25 ccw(c82.45,56.771) 83.525,55.695 v1(83.73,55.9) 83.786,55.956 cw(c85.582,54.16) 85.582,56.7 87.85,56.7 cw(c87.85,55.541) 88.669,56.361 v1(89.13,55.9) 89.186,55.956 cw(c90.982,54.16) 90.982,56.7 93.25,56.7 cw(c93.25,55.541) 94.069,56.361 v1(94.53,55.9) 94.586,55.956 cw(c96.382,54.16) 96.382,56.7 98.65,56.7 cw(c98.65,55.541) 99.469,56.361 v1(99.93,55.9) 99.986,55.956 cw(c101.782,54.16) 101.782,56.7 104.05,56.7 cw(c104.05,55.541) 104.869,56.361 v1(105.33,55.9) 105.386,55.956 cw(c107.182,54.16) 107.182,56.7 109.45,56.7 cw(c109.45,55.541) 110.269,56.361 v1(110.73,55.9) 110.786,55.956 cw(c112.582,54.16) 112.582,56.7 114.85,56.7 cw(c114.85,55.541) 115.669,56.361 v1(116.13,55.9) 116.136,55.906 cw(c117.932,54.11) 117.932,56.65 120.3,56.65 cw(c120.3,55.491) 121.119,56.311 v1(121.53,55.9)
  Bottom Layer w0.25: v1(80.6,36.6) 81.156,36.044 cw(c79.36,34.248) 81.9,34.248 81.9,21.595 ccw(c83.095,21.595) v1(82.25,20.75) ; v1(109.25,41.5) cw(c110,41.5) 110,42.25 113.25,42.25 cw(c113.25,42) 113.5,42
"SD CLK": MCU.3 SD.5 | length 35.4
  Top Layer w0.2: v1(41.25,51.713) SD.5@43.413,51.713
  Top Layer w0.254: v1(67.75,50.25) ccw(c68.388,50.25) 67.937,49.799 ; 67.937,49.799 MCU.3@69.543,48.193
  Top Middle Layer w0.2: v1(41.25,51.713) ccw(c41.25,50.963) 40.5,50.963 40.5,49.7 ccw(c41.3,49.7) 41.3,48.9 42.134,48.9 ccw(c42.134,50.991) 43.613,49.512 cw(c45.393,47.732) 45.393,50.25 v1(67.75,50.25)
"SD CMD": MCU.4 SD.3 | length 38.1
  Top Layer w0.2: v1(41.25,53.913) SD.3@43.413,53.913
  Top Layer w0.254: v1(67.5,49.25) cw(c67.5,48.577) 67.976,49.053 MCU.4@69.189,47.839
  Top Middle Layer w0.2: v1(41.25,53.913) ccw(c41.25,52.713) 40.05,52.713 40.05,49.55 ccw(c41.2,49.55) 41.2,48.4 42.241,48.4 ccw(c42.241,50.811) 43.946,49.106 cw(c45.742,47.31) 45.742,49.85 66.051,49.85 cw(c66.051,47.801) v1(67.5,49.25)
"SD DAT0": MCU.2 SD.7 | length 32.1
  Top Layer w0.2: v1(41.5,49.513) SD.7@43.413,49.513
  Top Layer w0.254: v1(68.5,50.75) 68.5,50.25 ccw(c69.241,50.25) 68.717,49.726 MCU.2@69.896,48.546
  Top Middle Layer w0.2: v1(41.5,49.513) 42.365,49.513 ccw(c42.365,50.835) 43.3,49.9 43.306,49.906 cw(c45.102,48.11) 45.102,50.65 66.958,50.65 ccw(c66.957,50.85) 67.065,50.681 ccw(c66.788,51.112) 67.15,50.75 cw(c67.391,50.509) 67.391,50.85 68.259,50.85 cw(c68.259,50.509) v1(68.5,50.75)
"SD DAT1": MCU.1 SD.8 | length 35.4
  Top Layer w0.2: v1(41.25,50.25) ccw(c41.25,49.75) 40.75,49.75 40.75,49 ccw(c41.288,49) 41.288,48.462 SD.8@43.413,48.462
  Top Layer w0.254: v1(69.25,50.25) ccw(c70.095,50.25) 69.497,49.653 MCU.1@70.25,48.9
  Top Middle Layer w0.2: v1(41.25,50.25) 42.537,50.25 ccw(c42.537,51.488) 43.413,50.612 cw(c44.469,49.556) 44.469,51.05 66.517,51.05 ccw(c66.517,51.733) 67,51.25 cw(c67.362,50.888) 67.362,51.4 68.5,51.4 cw(c68.5,50.65) 69.25,50.65 v1(69.25,50.25)
"SD DAT2": MCU.8 SD.1 | length 41.2
  Top Layer w0.2: v1(41.25,56.113) SD.1@43.413,56.113
  Top Layer w0.254: v1(66.1,48.5) ccw(c67.065,48.5) 66.383,47.818 MCU.8@67.775,46.425
  Top Middle Layer w0.2: v1(41.25,56.113) ccw(c41.25,54.113) 39.25,54.113 39.25,49.4 ccw(c41.05,49.4) 41.05,47.6 43.24,47.6 ccw(c43.24,48.71) 44.025,47.925 cw(c44.93,47.02) 44.93,48.3 60.984,48.3 cw(c60.984,47.959) 61.225,48.2 ccw(c61.466,48.441) 61.466,48.1 62.25,48.1 ccw(c62.25,49.066) 62.933,48.383 63.2,48.65 cw(c63.924,47.926) 63.924,48.95 65.014,48.95 cw(c65.014,47.414) v1(66.1,48.5)
"SD DAT3": MCU.7 SD.2 | length 39.6
  Top Layer w0.2: v1(41.25,55.012) SD.2@43.413,55.012
  Top Layer w0.254: v1(67,48.5) ccw(c68.431,48.5) 67.419,47.488 MCU.7@68.129,46.779
  Top Middle Layer w0.2: v1(41.25,55.012) ccw(c41.25,53.412) 39.65,53.412 39.65,49.55 ccw(c41.2,49.55) 41.2,48 42.551,48 ccw(c42.551,50.411) 44.256,48.706 cw(c46.052,46.91) 46.052,49.45 64.998,49.45 cw(c64.998,46.91) 66.794,48.706 v1(67,48.5)
SDA: "PWM DRIVER.27" FB7.1 IMU1.20 MCU.84 R304.1 | length 103.9
  Top Layer w0.2: FB7.1@50.579,32.75 53.459,32.75 ccw(c53.459,33.091) v1(53.7,32.85) ; v1(73.25,27.25) v1(73.25,31.4)
  Top Layer w0.254: v1@63.75,57.625 v1(63.85,57.625) 66.225,57.625 ; v1(73.25,27.25) 73.877,27.25 cw(c73.877,24.71) 75.673,26.506 MCU.84@76.967,25.212 ; v1(103.1,29.25) 103.113,29.25 IMU1.20@103.113,32.8
  Top Middle Layer w0.2: v1(73.25,27.25) cw(c73.25,26.284) 73.933,26.967 74.256,26.644 ccw(c76.052,28.44) 76.052,25.9 85.6,25.9 ccw(c85.6,27.469) 86.71,26.36 88.256,27.906 cw(c90.052,26.11) 90.052,28.65 102.5,28.65 ccw(c102.5,29.25) v1(103.1,29.25)
  Top Middle Layer w0.254: v1(63.85,57.625) 66.023,57.625 cw(c66.023,55.085) 67.819,56.881 73.365,51.335 cw(c72.682,50.653) 73.647,50.653 ccw(c74.372,50.653) 73.86,50.14 74.1,49.9 cw(c73.134,48.934) 74.5,48.934 74.5,33.702 cw(c71.96,33.702) 73.756,31.906 v1(73.25,31.4)
  Bottom Layer w0.2: v1(53.7,32.85) cw(c53.941,32.609) 53.941,32.95 67.448,32.95 cw(c67.448,30.41) 69.244,32.206 69.956,31.494 ccw(c71.752,33.29) 71.752,30.75 72.25,30.75 ccw(c72.25,31.595) 72.847,30.997 v1(73.25,31.4)
  Bottom Layer w0.254: v1(73.25,27.25) 73.927,27.927 R304.1@74.25,28.15
TXCAN: "CAN C.1" "CAN T.1" | length 6.9
  Top Layer w0.25: 93.45,12.65 93.672,12.65 cw(c93.672,10.772) v1(95,12.1) ; v1(95.5,14.5) ccw(c96.104,15.104) 96.104,14.25 96.9,14.25
  Bottom Layer w0.2: v1(95,12.1) cw(c95,12.75) 94.35,12.75 94.35,14 cw(c94.85,14) 94.85,14.5 v1(95.5,14.5)
"USB0 DM": MCU.20 R301.1 | length 51.5
  Top Layer w0.25: v1(62.5,47.25) 62.767,46.983 cw(c62.084,46.3) 63.05,46.3 63.05,44.583 cw(c62.367,44.583) 62.85,44.1 ccw(c63.212,43.738) 62.7,43.738 62.7,43.35 ccw(c63.509,43.35) 62.937,42.778 MCU.20@63.533,42.183
  Bottom Layer w0.25: R301.1@29.9,51.25 32.368,51.25 ccw(c32.368,53.79) 34.164,51.994 39.126,56.956 cw(c40.922,55.16) 40.922,57.7 43.443,57.7 cw(c43.443,55.993) 44.65,57.2 44.906,56.944 cw(c43.11,55.148) 45.65,55.148 45.65,54.052 ccw(c48.19,54.052) 46.394,52.256 47.02,51.63 ccw(c48.3,52.911) 48.3,51.1 60.848,51.1 cw(c60.848,48.56) 62.644,50.356 63.506,49.494 cw(c61.71,47.698) 64.25,47.698 64.25,47.25 cw(c63.55,47.25) 63.55,46.55 63.2,46.55 cw(c63.2,47.25) v1(62.5,47.25)
"USB0 DP": MCU.19 R302.1 | length 48.1
  Top Layer w0.25: v1(63.5,47.25) 63.5,44.312 cw(c62.988,44.312) 63.35,43.95 ccw(c63.712,43.588) 63.2,43.588 63.2,43.4 ccw(c63.629,43.4) 63.326,43.096 MCU.19@63.886,42.536
  Bottom Layer w0.25: R302.1@29.9,49.1 30.898,49.1 ccw(c30.898,51.64) 32.694,49.844 39.356,56.506 cw(c41.152,54.71) 41.152,57.25 42.748,57.25 cw(c42.748,54.71) 44.544,56.506 44.65,56.4 cw(c43.564,55.314) 45.1,55.314 45.1,53.852 ccw(c47.64,53.852) 45.844,52.056 46.593,51.307 ccw(c48.3,53.014) 48.3,50.6 60.698,50.6 cw(c60.698,48.06) 62.494,49.856 62.85,49.5 cw(c61.281,47.931) 63.5,47.931 v1(63.5,47.25)
"USB D+": R302.2 USB.3 | length 5.4
  Top Layer w0.25: USB.3@24.175,51 25.043,51 cw(c25.043,49.293) v1(26.25,50.5)
  Bottom Layer w0.25: v1(26.25,50.5) 26.25,49.9 ccw(c27.05,49.9) 27.05,49.1 R302.2@28.4,49.1
"USB D-": R301.2 USB.2 | length 5.2
  Top Layer w0.25: USB.2@24.175,51.65 24.801,51.65 ccw(c24.801,53.699) v1(26.25,52.25)
  Bottom Layer w0.25: v1(26.25,52.25) 28.05,52.25 cw(c28.05,51.9) 28.4,51.9 R301.2@28.4,51.25
USBV+: D2.2 USB.1 | length 12.1
  Top Layer w0.4: USB.1@24.175,52.3 23.45,52.3 ccw(c23.45,51.85) 23,51.85 23,48.655 ccw(c25.54,48.655) 25.54,46.115 28.603,46.115 ccw(c28.603,46.627) D2.2@28.965,46.265
"VD 3.3V": MCU.85 R104.2 R105.1 | length 10.7
  Top Layer w0.254: v1(76,27.5) ccw(c77.481,27.5) 76.434,26.453 MCU.85@77.321,25.566
  Bottom Layer w0.2: R104.2@75.25,21.1 75.25,22.896 cw(c76.104,22.896) 75.5,23.5 ccw(c74.293,24.707) 76,24.707 v1(76,27.5)
  Bottom Layer w0.254: R104.2@75.25,21.1 R105.1@76.9,21.1
"VD 5V": MCU.69 R106.2 R107.1 | length 15.5
  Top Layer w0.2: v1(67.5,19.2) 67.5,19.642 cw(c70.04,19.642) 68.244,21.438 MCU.69@69.189,22.384
  Bottom Layer w0.2: R106.2@58.55,23.2 59.3,23.2 cw(c59.3,22.7) 59.8,22.7 59.8,22.25 ccw(c60.3,22.25) 60.3,21.75 R107.1@60.95,21.75 61.306,21.394 ccw(c63.102,23.19) 63.102,20.65 64.317,20.65 ccw(c64.317,21.333) 64.8,20.85 cw(c65.162,20.488) 65.162,21 66.35,21 cw(c66.35,19.85) 67.5,19.85 v1(67.5,19.2)
VDDA: C207.2 FB2.1 MCU.31 R201.2 | length 22.5
  Top Layer w0.254: MCU.31@59.643,38.293 60.201,37.736 ccw(c60.65,38.185) 60.65,37.55 65.298,37.55 cw(c65.298,35.01) 67.094,36.806 v1(69.25,34.65)
  Bottom Layer w0.254: C207.2@69.25,36.2 69.25,35.04 ccw(c71.79,35.04) 71.79,32.5 74.05,32.5 ccw(c74.05,32.95) 74.5,32.95 R201.2@74.5,33.6 74.5,34.323 cw(c77.04,34.323) 75.244,36.119 FB2.1@75.25,36.125
"VREF OUT": C208.2 MCU.37 | length 10.6
  Top Layer w0.254: MCU.37@57.876,33.697 58.384,34.206 cw(c60.181,32.41) 60.181,34.95 65.164,34.95 cw(c65.164,33.414) v1(66.25,34.5)
  Bottom Layer w0.254: v1(66.25,34.5) C208.2@66.25,36.2
VREFH: C206.2 MCU.32 R201.1 | length 18.8
  Top Layer w0.254: MCU.32@59.29,37.94 59.812,37.418 ccw(c60.7,38.306) 60.7,37.05 64.898,37.05 cw(c64.898,34.51) 66.694,36.306 68.8,34.2 ccw(c69.645,35.045) 69.645,33.85 69.85,33.85 ccw(c69.85,34.454) 70.277,34.027 v1(70.75,34.5)
  Bottom Layer w0.254: v1(70.75,34.5) 70.75,35.25 cw(c71.7,35.25) 71.7,36.2 C206.2@72.25,36.2 72.25,35.402 ccw(c74.79,35.402) 72.994,33.606 R201.1@73,33.6
VREFL: C206.1 C207.1 C208.1 FB3.2 MCU.33 MCU.34 | length 19
  Top Layer w0.254: MCU.34@58.583,37.233 59.655,36.161 ccw(c61.25,37.756) 61.25,35.5 ccw(c61.25,36) 61.75,36 v1(61.75,36.25) 61.325,36.25 cw(c61.325,38.79) 59.529,36.994 MCU.33@58.936,37.586
  Bottom Layer w0.254: v1(61.75,36.25) ccw(c61.85,36.25) 61.85,36.15 64,36.15 ccw(c64,36.85) 64.7,36.85 64.7,37 cw(c65.3,37) 65.3,37.6 C208.1@66.25,37.6 C207.1@69.25,37.6 C206.1@72.25,37.6
XTAL32: MCU.40 Y2.1 | length 5.8
  Top Layer w0.254: Y2.1@58,28.8 58,30.25 ccw(c57.5,30.25) 57.5,30.75 57.4,30.75 cw(c57.4,31.25) 56.9,31.25 cw(c57.4,31.25) 57.4,31.75 57.5,31.75 ccw(c57.5,33.077) 58.438,32.139 MCU.40@58.936,32.637
"Y1 A": MCU.72 Y1.1 | length 4.3
  Top Layer w0.254: MCU.72@70.25,21.323 69.758,20.831 ccw(c70.138,20.45) 69.6,20.45 69.6,18.75 ccw(c70.1,18.75) 70.1,18.25 Y1.1@70.8,18.25
"Y1 B": MCU.73 Y1.3 | length 4.2
  Top Layer w0.254: Y1.3@72.5,19.55 73.259,19.55 cw(c73.259,19.209) 73.5,19.45 73.594,19.356 ccw(c73.85,19.612) 73.85,19.25 ccw(c73.85,19.65) 74.25,19.65 74.25,19.75 ccw(c73.281,19.75) 73.966,20.435 MCU.73@73.078,21.323
pads on no net: "CAN2 TRAN.5" "Primary Connector.51" "Primary Connector.52" "PWM DRIVER.12" "PWM DRIVER.13" "PWM DRIVER.15" "PWM DRIVER.16" "PWM DRIVER.17" "PWM DRIVER.18" "PWM DRIVER.19" "PWM DRIVER.20" "PWM DRIVER.21" "PWM DRIVER.22" "Secondary Connector.27" "Secondary Connector.28" ACC.5 ACC.6 ACC.11 BOOT.5 BOOT.11 BOOT.12 BOOT.14 BOOT.15 BOOT.16 BUZZER.1 BUZZER.4 DEMUX.6 GPS.8 GPS.13 GPS.14 IMU1.1 IMU1.7 IMU1.8 IMU1.10 IMU1.12 IMU1.13 IMU1.14 IMU1.15 IMU1.16 IMU1.21 IMU1.22 IMU1.23 IMU1.24 IMU1.26 IMU1.27 IMU2.1 IMU2.12 IMU2.13 IMU2.16 MCU.22 MCU.23 MCU.24 MCU.25 MCU.26 MCU.27 MCU.28 MCU.35 MCU.36 MCU.58 MCU.59 MCU.60 MCU.61 MCU.62 MCU.63 MCU.78 MCU.87 MCU.88 MCU.89 MCU.97 MUX.6 Q_H1.9 Q_H2.9 Q_H3.9 Q_H4.9 Q_H5.9 Q_H6.9 Q_H7.9 Q_H8.9 Q_H9.9 Q_H10.9 SD.9 SD.10 SD.13 SD.14 USB.4
copper on no net:
  other v4: 28,13 162,13 95,35 28,57 162,57

## Polygon pours and split planes (outlines as drawn)
GND on Layer 2 "GND_L05_P001" (solid, remove dead copper, pour order 1): 20.2,54.8 cw(c25.2,54.8) 25.2,59.8 164.8,59.8 cw(c164.8,54.8) 169.8,54.8 169.8,15.2 cw(c164.8,15.2) 164.8,10.2 25.2,10.2 cw(c25.2,15.2) 20.2,15.2 20.2,18
GND on Layer 1 "GND_L02_P002" (solid, remove dead copper, pour order 2): 20.2,54.8 cw(c25.2,54.8) 25.2,59.8 164.8,59.8 cw(c164.8,54.8) 169.8,54.8 169.8,15.2 cw(c164.8,15.2) 164.8,10.2 25.2,10.2 cw(c25.2,15.2) 20.2,15.2 20.2,18
3.3V on Bottom Middle Layer "3.3V_L04_P003" (solid, remove dead copper, pour order 3): 20.194,54.767 cw(c25.194,54.767) 25.194,59.767 164.794,59.767 cw(c164.794,54.767) 169.794,54.767 169.794,15.167 cw(c164.794,15.167) 164.794,10.167 25.194,10.167 cw(c25.194,15.167) 20.194,15.167 20.194,17.967
GND on Bottom Layer "GND_L06_P004" (solid, remove dead copper, pour order 4): 20.194,54.817 cw(c25.194,54.817) 25.194,59.817 164.794,59.817 cw(c164.794,54.817) 169.794,54.817 169.794,15.217 cw(c164.794,15.217) 164.794,10.217 25.194,10.217 cw(c25.194,15.217) 20.194,15.217 20.194,18.017

## Silkscreen, mask and mechanical layers (free items; w line width, h text height)
Top Overlay:
  drawing of 52 lines, arcs and shapes, not listed
  text "GND" at 161,25.014 h1.1
  text "GND" at 159.336,23.7 h1.1 r90
  text "BAT+" at 159.35,18.4 h1.1 r90
  text "DE" at 61,17.2 h1.1 r90
  text "GND" at 67.136,16.6 h1.1 r90
  text "DC" at 60.988,14.35 h1.1 r90
  text "PRG" at 67.136,14.35 h1.1 r90
  text "DD" at 60.95,11.8 h1.1 r90
  text "RST" at 67.138,11.6 h1.1 r90
Bottom Overlay:
  drawing of 119 lines, arcs and shapes, not listed
  text "PCA9685 ADDRESS" at 57.55,59.167 h1.2
  text "5" at 47.75,51.469 h1.5
  text "4" at 49.9,51.45 h1.5
  text "3" at 52.05,51.469 h1.5
  text "2" at 54.2,51.45 h1.5
  text "1" at 56.35,51.45 h1.5
  text "0" at 58.45,51.469 h1.5
  text "7" at 46,43.6 h1.5
  text "6" at 48.15,43.619 h1.5
  text "5" at 50.3,43.619 h1.5
  text "4" at 52.45,43.6 h1.5
  text "3" at 54.6,43.619 h1.5
  text "2" at 56.75,43.6 h1.5
  text "1" at 58.9,43.6 h1.5
  text "0" at 61.05,43.619 h1.5
  text "ALARA ADDRESS" at 58.3,42.417 h1.5
  text "AIN FILTERS" at 49.5,27.567 h1.5

## Text inside footprints (layer, text, board x,y; h text height)
USB: Mechanical 1 "PCB EDGE" at 20.5,45.3 h1.1 r270